# Allegro board BeagleV-FIRE_REV-A_230911.brd (continued)
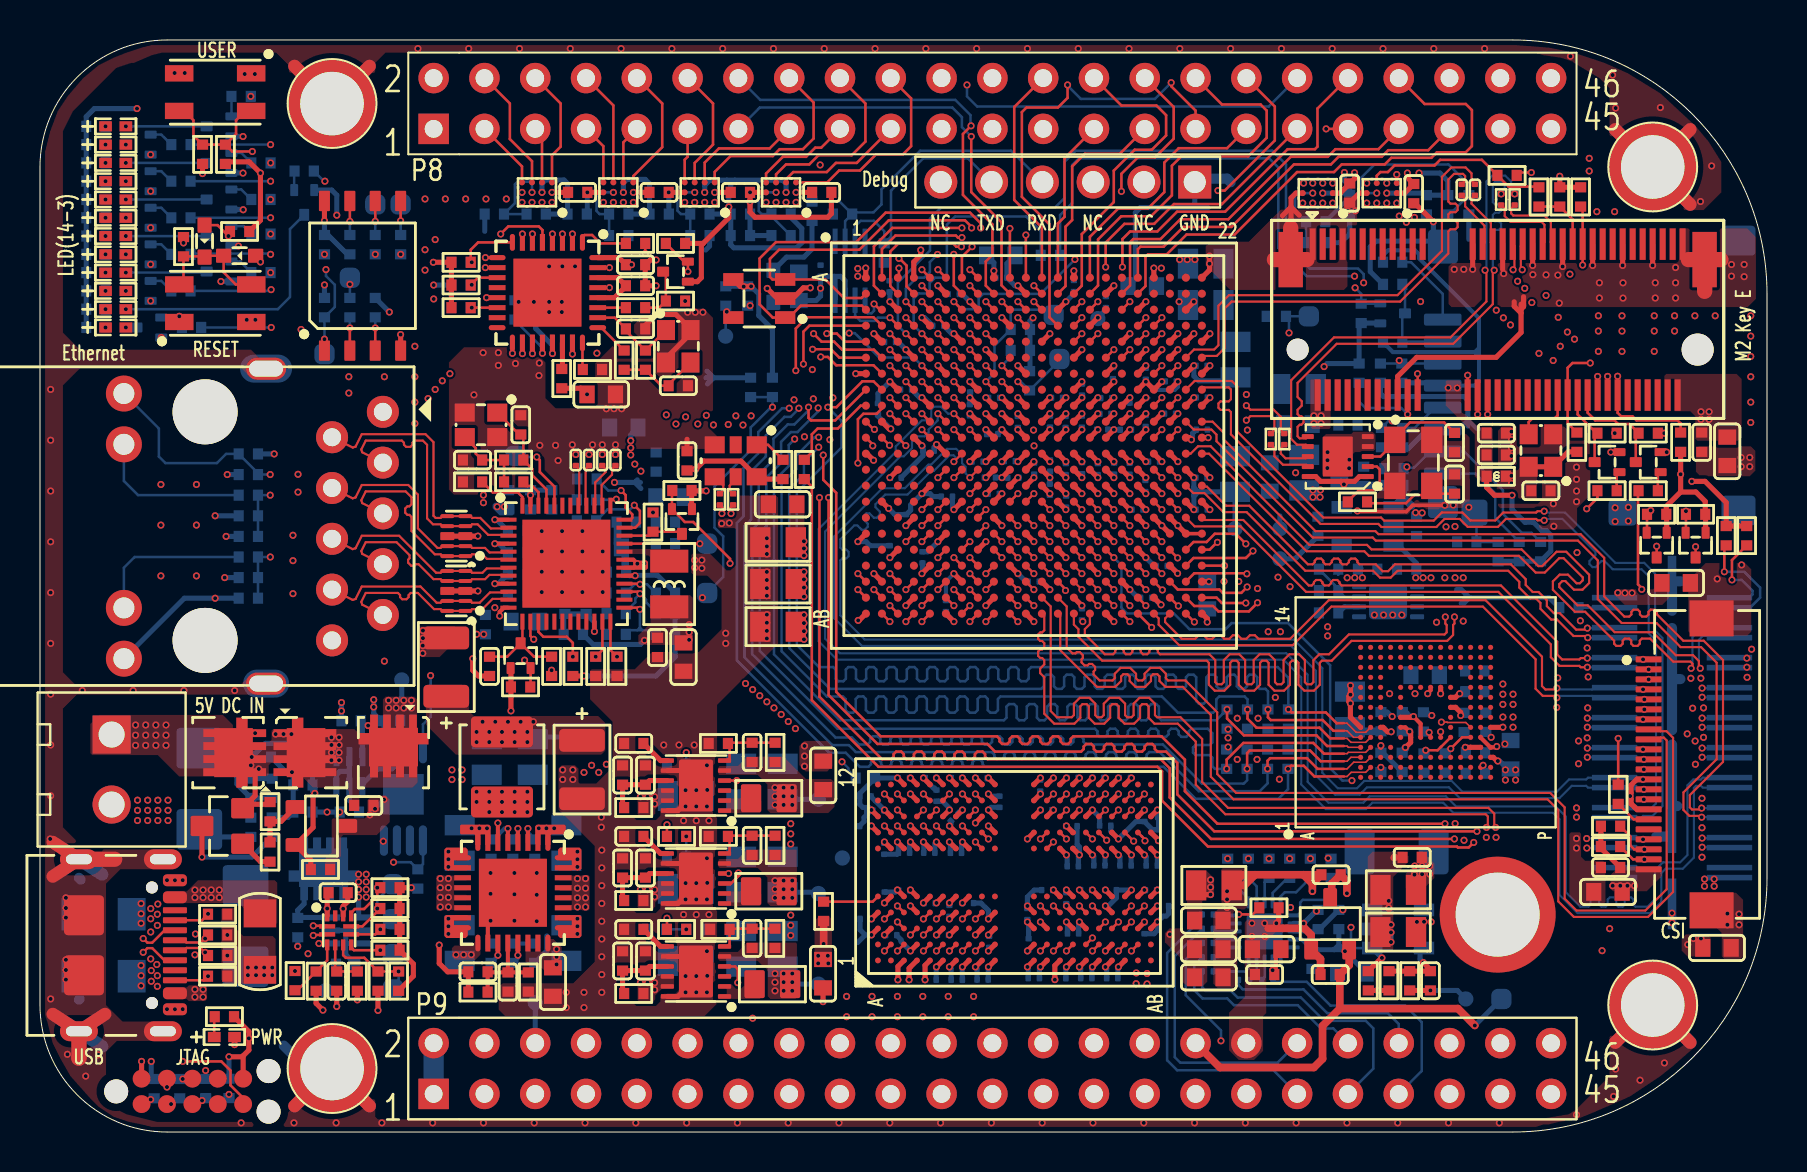
[diagram p0: board, top side]
## Routing (per net, layer and track width the routed paths; a pad name or vN(x,y) marks a point on that pad's centre or on a via; arc(x,y) is an arc through that point) (continued)
LPDDR4_DQ14: length 29.6
  TOP w0.127: U1.Y8 v1(46.5,27.92) ; U2.C9 v1(42.88,15.3)
  L10_SIG3 w0.102: v1(42.88,15.3) 42.51,14.94 40.52,14.94 38.61,16.85 38.61,29.14 40.2,30.72 45.3,30.72 46.14,29.88 46.14,29.38 46.35,29.17 46.58,29.17 46.89,28.86 46.89,28.59 46.54,28.24 46.54,27.96 v1(46.5,27.92)
LPDDR4_DQ15: length 29.7
  TOP w0.127: U2.B9 v1(42.23,15.3) ; U1.AA8 v1(46.5,27.12)
  L10_SIG3 w0.102: v1(42.23,15.3) 42.36,15.43 42.36,15.55 42.51,15.71 43,15.71 43.22,15.49 43.22,14.42 42.94,14.13 41.82,14.13 41.32,13.63 41.32,12.17 41.72,11.77 47.28,11.77 48.26,12.75 48.26,15.44 48.18,15.52 48.18,16.17 47.75,16.59 47.75,19.39 46.94,20.2 46.94,26.41 46.5,26.85 v1(46.5,27.12)
LPDDR4_DQ16: length 29.4
  TOP w0.127: U1.Y9 v1(47.3,27.12) ; U2.AA2 v1(54.58,9.05)
  L3_SIG1 w0.102: v1(47.3,27.12) 46.89,26.72 46.89,24.27 49.06,22.11 49.06,18.02 49.16,17.92 49.56,17.92 49.66,17.82 49.66,17.54 49.56,17.44 49.16,17.44 49.06,17.33 49.06,17.05 49.16,16.95 49.48,16.95 49.58,16.85 49.58,16.57 49.48,16.47 49.16,16.47 49.06,16.37 49.06,16.09 49.16,15.99 49.35,15.99 49.45,15.89 49.45,15.61 49.35,15.5 49.16,15.5 49.06,15.4 49.06,9.9 49.72,9.23 49.72,8.13 49.9,7.95 54.05,7.95 54.58,8.47 v1(54.58,9.05)
LPDDR4_DQ17: length 29.3
  TOP w0.127: U2.Y2 v1(53.93,9.05) ; U1.W9 v1(47.3,27.92)
  L3_SIG1 w0.102: v1(47.3,27.92) 47.68,27.54 47.68,25.78 47.71,25.76 47.71,24.61 50.49,21.83 50.49,21.68 50.2,21.4 50.2,21.26 50.4,21.06 50.54,21.06 51.02,21.53 51.16,21.53 51.36,21.33 51.36,21.19 50.85,20.68 50.85,20.53 51.04,20.33 51.19,20.33 51.51,20.66 51.65,20.66 51.96,20.35 51.96,19.93 51.86,19.83 51.41,19.83 51.31,19.73 51.31,19.45 51.41,19.35 51.86,19.35 51.96,19.24 51.96,18.82 51.02,17.88 51.02,15.55 50.91,15.44 50.81,15.44 50.71,15.34 50.71,15.06 50.81,14.96 50.91,14.96 51.02,14.86 51.02,13.61 51.45,13.18 51.45,12.83 51.02,12.39 51.02,10.23 51.22,10.03 51.36,10.03 51.5,10.16 51.64,10.16 51.84,9.96 51.84,9.82 51.71,9.69 51.71,9.54 51.85,9.4 53.58,9.4 v1(53.93,9.05)
LPDDR4_DQ18: length 29.2
  TOP w0.127: U1.AB9 v1(47.3,25.52) ; U2.V2 v1(52.63,9.05)
  L3_SIG1 w0.102: v1(52.63,9.05) 52.32,8.75 50.54,8.75 50.33,8.96 50.33,11.85 49.72,12.46 49.72,12.7 49.82,12.81 50.7,12.81 50.8,12.91 50.8,13.19 50.7,13.29 49.73,13.29 49.63,13.39 49.63,13.67 49.73,13.77 50.34,13.77 50.44,13.87 50.44,14.15 50.34,14.25 49.82,14.25 49.72,14.36 49.72,14.87 50.3,15.45 50.3,15.95 50.33,15.98 50.33,18.63 50.23,18.74 49.56,18.74 49.46,18.84 49.46,19.12 49.56,19.22 50.75,19.22 50.85,19.32 50.85,19.6 50.75,19.7 49.56,19.7 49.46,19.8 49.46,20.08 49.56,20.18 50.23,20.18 50.33,20.29 50.33,20.54 49.47,21.4 49.47,22.26 47.3,24.44 v1(47.3,25.52)
LPDDR4_DQ19: length 30.4
  TOP w0.127: U1.AB10 v1(48.9,25.52) ; U2.U2 v1(52.63,9.7)
  L3_SIG1 w0.102: v1(52.63,9.7) 52.94,10.02 52.94,12.24 53.2,12.49 53.2,12.69 53.09,12.79 52.79,12.79 52.69,12.89 52.69,13.1 52.79,13.2 53.09,13.2 53.2,13.3 53.2,13.5 52.95,13.75 52.95,14.72 53.24,15.01 54.04,15.01 54.31,14.75 54.31,14.46 54.56,14.21 55.4,14.21 55.57,14.38 55.57,14.84 55.47,14.94 55.17,14.94 55.06,15.04 55.06,15.25 55.17,15.35 55.47,15.35 55.57,15.45 55.57,17.2 54.52,18.25 54.52,20.92 55.33,21.73 55.33,21.87 55.18,22.02 55.04,22.02 54.23,21.21 54.12,21.21 53.93,21.4 53.93,21.49 54.7,22.25 54.7,22.39 54.55,22.54 54.41,22.54 53.92,22.05 53.78,22.05 52.91,22.92 51.13,22.92 48.94,25.1 48.94,25.48 v1(48.9,25.52)
LPDDR4_DQ20: length 29.4
  TOP w0.127: U1.V11 v1(49.7,28.72) ; U2.U4 v1(51.98,11.3)
  L3_SIG1 w0.102: v1(51.98,11.3) 51.63,11.65 51.63,12.29 51.86,12.52 51.86,13.54 51.65,13.74 51.65,17.09 51.86,17.3 52,17.3 52.32,17.61 52.32,17.85 52.6,18.13 52.6,18.28 52.49,18.39 52.49,18.53 52.64,18.68 52.78,18.68 52.89,18.57 53.03,18.57 53.58,19.11 53.58,19.37 53.48,19.47 52.75,19.47 52.6,19.63 52.6,19.85 52.7,19.96 53.48,19.96 53.58,20.06 53.58,20.6 53.44,20.74 53.3,20.74 53.15,20.59 53.01,20.59 52.81,20.79 52.81,20.94 52.96,21.08 52.96,21.22 52.76,21.42 52.62,21.42 52.19,21 52.02,21 51.84,21.18 51.84,21.33 52.27,21.76 52.27,21.91 52.13,22.05 50.84,22.05 48.13,24.76 48.13,25.91 48.09,25.95 48.09,27.99 47.74,28.33 47.74,28.87 48.03,29.16 48.92,29.16 49.36,28.72 v1(49.7,28.72)
LPDDR4_DQ21: length 29.2
  TOP w0.127: U1.V10 v1(48.9,28.72) ; U2.V4 v1(52.63,11.3)
  L3_SIG1 w0.102: v1(52.63,11.3) 52.3,11.63 52.3,12.21 52.28,12.23 52.28,15.63 52.43,15.78 52.95,15.78 53.06,15.68 53.06,15.54 53.16,15.44 53.36,15.44 53.46,15.54 53.46,15.68 53.56,15.78 53.77,15.78 53.87,15.68 53.87,15.56 53.97,15.46 54.17,15.46 54.27,15.56 54.27,15.68 54.38,15.78 54.68,15.78 54.88,15.98 54.88,16.33 54.65,16.56 52.42,16.56 52.32,16.66 52.32,17.04 52.54,17.26 53.45,17.26 53.61,17.42 53.61,18.27 54.08,18.74 54.08,20.68 52.99,21.77 52.99,21.91 53.1,22.02 53.1,22.16 52.95,22.3 52.81,22.3 52.7,22.2 52.56,22.2 52.27,22.49 50.97,22.49 48.54,24.92 48.54,26.08 48.5,26.12 48.5,28.32 v1(48.9,28.72)
LPDDR4_DQ22: length 29.6
  TOP w0.127: U2.Y4 v1(54.58,11.3) ; U1.Y11 v1(49.7,27.12)
  L3_SIG1 w0.102: v1(54.58,11.3) 55.01,11.74 55.99,11.74 56.85,12.6 56.85,12.74 56.73,12.86 56.73,13.01 57.74,14.02 57.74,15.19 56.96,15.97 56.96,16.33 57.06,16.43 57.35,16.43 57.45,16.54 57.45,16.74 57.35,16.84 57.06,16.84 56.96,16.94 56.96,17.14 57.06,17.25 57.23,17.25 57.33,17.35 57.33,17.55 57.23,17.65 56.93,17.65 56.83,17.75 56.83,17.96 56.93,18.06 57.23,18.06 57.33,18.16 57.33,18.36 57.23,18.47 56.9,18.47 56.8,18.57 56.8,18.77 56.9,18.87 57.21,18.87 57.31,18.97 57.31,19.18 57.21,19.28 56.9,19.28 56.79,19.38 56.79,19.58 56.9,19.68 57.2,19.68 57.3,19.79 57.3,19.99 57.2,20.09 56.9,20.09 56.79,20.19 56.79,20.4 56.9,20.5 57.3,20.5 57.4,20.6 57.4,20.8 57.3,20.9 57.06,20.9 56.96,21.01 56.96,21.89 54.81,24.04 52.35,24.04 51.95,24.44 51.81,24.44 51.65,24.28 51.47,24.28 51.36,24.38 51.36,24.57 51.46,24.66 51.46,24.95 51.05,25.35 50.65,25.35 50.55,25.45 50.55,25.7 50.62,25.78 50.83,25.78 50.95,25.91 50.95,26.11 50.32,26.75 50.08,26.75 v1(49.7,27.12)
LPDDR4_DQ23: length 29.4
  TOP w0.127: U1.W11 v1(49.7,27.92) ; U2.AA4 v1(55.23,11.3)
  L3_SIG1 w0.102: v1(55.23,11.3) 55.56,10.97 56.24,10.97 56.72,11.45 56.72,11.59 56.65,11.66 56.65,11.81 56.85,12.01 56.99,12.01 57.07,11.93 57.21,11.93 57.41,12.13 57.41,12.27 57.33,12.35 57.33,12.6 57.71,12.98 57.71,13.18 58.17,13.64 58.17,15.6 58.06,15.7 57.81,15.7 57.71,15.8 57.71,16.08 57.81,16.18 58.06,16.18 58.17,16.28 58.17,16.56 58.06,16.66 57.96,16.66 57.86,16.76 57.86,17.04 57.96,17.15 58.06,17.15 58.17,17.25 58.17,17.53 58.06,17.63 57.89,17.63 57.79,17.73 57.79,18.01 57.89,18.11 58.06,18.11 58.17,18.21 58.17,18.49 58.06,18.59 57.86,18.59 57.76,18.69 57.76,18.97 57.86,19.08 58.06,19.08 58.17,19.18 58.17,19.46 58.06,19.56 57.86,19.56 57.76,19.66 57.76,19.94 57.86,20.04 58.06,20.04 58.17,20.14 58.17,20.42 58.06,20.52 57.96,20.52 57.86,20.63 57.86,20.9 57.96,21.01 58.06,21.01 58.17,21.11 58.17,21.26 54.98,24.45 52.53,24.45 51.77,25.21 51.77,25.43 51.61,25.58 51.46,25.58 51.42,25.62 51.42,25.97 51.49,26.04 51.66,26.04 51.74,26.11 51.74,26.52 51.56,26.7 51.12,26.7 50.9,26.92 50.9,27.23 50.61,27.52 50.1,27.52 v1(49.7,27.92)
LPDDR4_DQ24: length 29.5
  TOP w0.127: U2.AA11 v1(55.23,16.9) ; U1.U8 v1(47.3,30.32)
  L10_SIG3 w0.102: v1(55.23,16.9) 54.79,17.34 53.83,17.34 53.6,17.57 53.6,18.43 53.94,18.78 53.94,18.99 54.05,19.09 54.75,19.09 54.86,19.2 54.86,19.4 54.75,19.5 54.05,19.5 53.94,19.6 53.94,19.8 54.05,19.9 54.75,19.9 54.86,20.01 54.86,20.21 54.75,20.31 54.05,20.31 53.94,20.41 53.94,20.62 54.05,20.72 54.77,20.72 54.88,20.83 54.88,21.02 54.78,21.12 54.05,21.12 53.94,21.22 53.94,21.43 54.05,21.53 54.77,21.53 54.88,21.64 54.88,21.83 54.78,21.94 54.05,21.94 53.94,22.04 53.94,22.24 54.05,22.34 54.68,22.34 54.78,22.44 54.78,22.65 54.68,22.75 54.05,22.75 53.94,22.85 53.94,23.09 51.7,25.33 51.7,28.04 51.41,28.32 51.19,28.32 50.9,28.61 50.9,29.64 50.61,29.92 50.39,29.92 50.14,30.17 50.14,30.41 49.81,30.73 49.36,30.73 49.26,30.84 49.26,30.94 49.16,31.04 48.95,31.04 48.85,30.94 48.85,30.84 48.75,30.73 48.55,30.73 48.44,30.84 48.44,30.94 48.34,31.04 48.14,31.04 48.04,30.94 48.04,30.84 47.94,30.73 47.71,30.73 v1(47.3,30.32)
LPDDR4_DQ25: length 29.3
  TOP w0.127: U2.Y11 v1(54.58,16.9) ; U1.T8 v1(47.3,31.12)
  L10_SIG3 w0.102: v1(47.3,31.12) 47.62,31.45 49.68,31.45 50.39,30.73 50.61,30.73 50.9,30.44 50.9,30.21 51.19,29.92 51.41,29.92 51.7,29.64 51.7,28.61 51.99,28.32 52.21,28.32 52.53,28.01 52.53,25.08 52.71,24.9 52.85,24.9 52.94,24.99 53.08,24.99 53.23,24.85 53.23,24.7 53.14,24.61 53.14,24.47 53.28,24.32 53.42,24.32 53.56,24.46 53.73,24.46 53.86,24.33 53.86,24.18 53.71,24.04 53.71,23.89 53.86,23.75 54,23.75 54.21,23.96 54.35,23.96 54.5,23.82 54.5,23.67 54.29,23.46 54.29,23.32 54.45,23.16 54.91,23.16 55.3,22.76 55.3,22.42 55.41,22.32 55.69,22.32 55.79,22.21 55.79,22.01 55.69,21.91 55.41,21.91 55.3,21.81 55.3,21.6 55.41,21.5 55.69,21.5 55.79,21.4 55.79,21.2 55.69,21.1 55.41,21.1 55.3,20.99 55.3,20.79 55.41,20.69 55.69,20.69 55.79,20.59 55.79,20.39 55.69,20.28 55.41,20.28 55.3,20.18 55.3,19.98 55.41,19.88 55.69,19.88 55.79,19.78 55.79,19.57 55.69,19.47 55.41,19.47 55.3,19.37 55.3,19.17 55.41,19.06 55.69,19.06 55.79,18.96 55.79,18.76 55.69,18.66 54.83,18.66 54.72,18.56 54.72,18.17 54.83,18.07 55.13,18.07 55.3,17.9 55.3,17.4 55.63,17.07 55.63,16.64 55.46,16.47 54.94,16.47 54.58,16.83 v1(54.58,16.9)
LPDDR4_DQ26: length 29.7
  TOP w0.127: U1.T11 v1(49.7,30.32) ; U2.V11 v1(53.28,16.9)
  L10_SIG3 w0.102: v1(49.7,30.32) 49.7,30.04 50.1,29.64 50.1,28.43 50.2,28.32 50.61,28.32 50.9,28.04 50.9,26.67 51,26.57 51.16,26.57 51.26,26.46 51.26,26.26 51.16,26.16 50.64,26.16 50.54,26.06 50.54,25.86 50.64,25.75 50.8,25.75 50.9,25.65 50.9,25.42 50.49,25.01 50.49,24.62 50.6,24.52 50.79,24.52 51.28,25 51.46,25 51.59,24.86 51.59,24.71 51.2,24.31 51.2,24.16 51.35,24.01 51.5,24.01 51.89,24.4 52.04,24.4 52.17,24.27 52.17,24.11 51.78,23.72 51.78,23.58 51.93,23.43 52.07,23.43 52.48,23.84 52.62,23.84 52.77,23.69 52.77,23.55 52.12,22.9 52.12,22.72 52.25,22.6 53.43,22.6 53.52,22.51 53.52,22.25 53.41,22.15 52.22,22.15 52.12,22.06 52.12,21.8 52.23,21.69 53.26,21.69 53.37,21.58 53.37,21.39 53.27,21.29 52.65,21.29 52.55,21.19 52.55,21 52.67,20.88 53.3,20.88 53.41,20.78 53.41,20.58 53.3,20.48 52.83,20.48 52.71,20.36 52.71,20.17 52.81,20.07 53.37,20.07 53.47,19.97 53.47,19.76 53.37,19.66 52.88,19.66 52.77,19.56 52.77,19.36 52.88,19.26 53.41,19.26 53.51,19.15 53.51,18.95 53.41,18.85 52.88,18.85 52.77,18.75 52.77,18.15 52.95,17.97 52.95,17.36 53.28,17.03 v1(53.28,16.9)
LPDDR4_DQ27: length 29.7
  TOP w0.127: U2.U11 v1(52.63,16.9) ; U1.U10 v1(48.9,29.52)
  L10_SIG3 w0.102: v1(52.63,16.9) 52.41,16.9 52.3,17.02 52.3,17.23 52.23,17.3 50,17.3 49.72,17.58 49.72,18.51 49.86,18.65 50.28,18.65 50.42,18.51 50.42,18.24 50.54,18.12 50.73,18.12 50.83,18.23 50.83,18.55 50.93,18.65 51.14,18.65 51.24,18.55 51.24,18.31 51.4,18.15 52.21,18.15 52.32,18.25 52.32,18.81 52.21,18.92 51.89,18.92 51.79,19.02 51.79,19.22 51.89,19.32 52.24,19.32 52.34,19.43 52.34,19.62 52.24,19.73 51.89,19.73 51.79,19.83 51.79,20.04 51.89,20.14 52.2,20.14 52.31,20.24 52.31,20.59 52.15,20.75 51.01,20.75 50.9,20.85 50.9,22.62 51.01,22.72 51.21,22.72 51.31,22.62 51.31,21.3 51.42,21.19 51.62,21.19 51.72,21.29 51.72,23.02 51.62,23.13 51.01,23.13 50.9,23.23 50.9,23.87 50.67,24.11 49.78,24.11 49.67,24.21 49.67,25.06 49.78,25.17 50,25.17 50.1,25.27 50.1,27.42 50,27.52 49.58,27.52 49.3,27.81 49.3,29.12 v1(48.9,29.52)
LPDDR4_DQ28: length 29.7
  TOP w0.127: U1.R11 v1(49.7,31.92) ; U2.U9 v1(52.63,14.65)
  L10_SIG3 w0.102: v1(49.7,31.92) 49.99,31.92 50.39,31.52 50.61,31.52 50.9,31.24 50.9,31.01 51.19,30.72 51.41,30.72 51.7,30.44 51.7,30.21 51.99,29.92 52.21,29.92 52.5,29.64 52.5,28.61 52.79,28.32 53.01,28.32 53.29,28.05 53.29,25.43 53.55,25.17 53.77,25.17 56.2,22.74 56.2,18.59 56.3,18.49 56.46,18.49 56.57,18.39 56.57,18.19 56.46,18.09 56.3,18.09 56.2,17.98 56.2,17.78 56.3,17.68 56.46,17.68 56.57,17.58 56.57,17.37 56.46,17.27 56.3,17.27 56.2,17.17 56.2,16.97 56.3,16.87 56.46,16.87 56.57,16.76 56.57,16.56 56.46,16.46 56.3,16.46 56.2,16.36 56.2,15.95 55.71,15.47 55.41,15.47 55.31,15.57 55.31,15.67 55.21,15.77 55,15.77 54.9,15.67 54.9,15.57 54.8,15.47 54.48,15.47 54.01,15 53.17,15 52.98,14.81 52.98,13.99 52.97,13.98 52.97,13.4 52.79,13.22 52.44,13.22 52.3,13.36 52.3,14.33 v1(52.63,14.65)
LPDDR4_DQ29: length 30.3
  TOP w0.127: U1.R10 v1(48.9,31.92) ; U2.V9 v1(53.34,14.59)
  L10_SIG3 w0.102: v1(48.9,31.92) 48.9,32.23 49.03,32.36 50.57,32.36 50.9,32.04 50.9,31.81 51.19,31.52 51.41,31.52 51.66,31.28 51.66,31.06 52.03,30.68 52.26,30.68 52.46,30.48 52.46,30.26 52.83,29.88 53.06,29.88 53.3,29.64 53.3,28.61 53.59,28.32 53.81,28.32 54.1,28.04 54.1,25.45 54.14,25.41 54.14,25.38 57.02,22.5 57.02,21.98 56.92,21.88 56.74,21.88 56.64,21.78 56.64,21.57 56.74,21.47 56.92,21.47 57.02,21.37 57.02,21.17 56.92,21.06 56.79,21.06 56.69,20.96 56.69,20.76 56.79,20.66 56.92,20.66 57.02,20.56 57.02,16.05 56.03,15.06 55.88,15.06 55.88,15.06 54.72,15.06 54.25,14.59 54.25,13.3 54.2,13.25 53.72,13.25 53.62,13.36 53.62,13.73 53.62,13.73 53.62,14.31 v1(53.34,14.59)
LPDDR4_DQ30: length 29.9
  TOP w0.127: v1(54.69,14.55) 54.69,14.55 U2.Y9 ; U1.R8 v1(46.5,31.12)
  L10_SIG3 w0.102: v1(46.5,31.12) 46.5,30.32 46.89,29.94 46.89,29.43 47.15,29.17 47.21,29.17 47.31,29.06 47.31,28.44 46.94,28.07 46.94,27.78 46.94,26.98 47.24,26.68 47.45,26.68 47.66,26.47 47.66,26.18 47.66,26.18 47.66,25.38 47.34,25.06 47.34,20.37 48.16,19.55 48.16,16.76 48.58,16.34 48.58,15.69 48.67,15.61 48.67,14.36 48.95,14.08 48.95,12.85 49.2,12.6 50.88,12.6 51.05,12.78 51.05,13.21 51.16,13.31 51.36,13.31 51.46,13.21 51.46,12.9 51.59,12.78 54.72,12.78 54.9,12.95 54.9,13.98 54.69,14.2 v1(54.69,14.55)
LPDDR4_DQ31: length 29.7
  TOP w0.127: U1.P8 v1(46.5,31.92) ; U2.AA9 55.11,14.78 55.26,14.62 v1(55.26,14.56)
  L10_SIG3 w0.102: v1(55.26,14.56) 55.6,14.22 56.06,14.22 57.43,15.6 57.43,22.86 54.86,25.43 54.86,28.07 54.65,28.28 54.43,28.28 54.06,28.66 54.06,29.67 53.85,29.88 53.63,29.88 53.26,30.26 53.26,30.47 53.05,30.68 52.83,30.68 52.46,31.06 52.46,31.27 52.25,31.48 52.03,31.48 51.66,31.86 51.66,32.07 51.45,32.28 51.23,32.28 50.86,32.66 50.86,32.87 50.65,33.08 50.35,33.08 50.35,33.08 48.75,33.08 48.54,32.87 48.54,32.65 48.25,32.36 46.94,32.36 v1(46.5,31.92)
LPDDR4_DQS0_N: length 30.4
  TOP w0.127: U1.AA3 v1(42.5,27.12) ; U2.E3 v1(44.18,9.85)
  L3_SIG1 w0.086: v1(44.18,9.85) 43.85,10.18 41.28,10.18 40.15,11.31 40.15,11.85 40.24,11.94 40.99,11.94 41.26,12.21 41.26,12.69 40.99,12.96 40.24,12.96 40.15,13.04 40.15,13.26 40.24,13.35 40.99,13.35 41.26,13.62 41.26,14.1 40.99,14.37 40.24,14.37 40.15,14.46 40.15,14.68 40.24,14.76 40.99,14.76 41.26,15.03 41.26,15.51 40.99,15.78 40.24,15.78 40.15,15.87 40.15,16.09 40.24,16.17 40.99,16.17 41.26,16.44 41.26,16.92 40.99,17.19 40.24,17.19 40.15,17.28 40.15,17.67 40.3,17.82 40.74,17.82 41.04,18.13 41.04,19.28 40.38,19.94 40.38,20.35 41.69,21.67 41.69,26.08 42.26,26.64 42.26,26.88 v1(42.5,27.12)
LPDDR4_DQS0_P: length 30.4
  TOP w0.127: U1.AA2 v1(41.7,27.12) ; U2.D3 v1(43.53,9.85)
  L3_SIG1 w0.086: v1(43.53,9.85) 42.73,9.85 42.43,9.56 41.45,9.56 41.15,9.86 41.15,9.87 39.84,11.17 39.84,11.98 40.11,12.25 40.86,12.25 40.94,12.34 40.94,12.56 40.86,12.64 40.11,12.64 39.84,12.91 39.84,13.39 40.11,13.66 40.86,13.66 40.94,13.75 40.94,13.97 40.86,14.06 40.11,14.06 39.84,14.33 39.84,14.81 40.11,15.08 40.86,15.08 40.94,15.16 40.94,15.38 40.86,15.47 40.11,15.47 39.84,15.74 39.84,16.22 40.11,16.49 40.86,16.49 40.94,16.58 40.94,16.79 40.86,16.88 40.11,16.88 39.84,17.15 39.84,17.8 40.17,18.14 40.6,18.14 40.72,18.26 40.72,19.15 40.06,19.81 40.06,20.49 41.38,21.8 41.38,26.21 41.94,26.78 41.94,26.88 v1(41.7,27.12)
LPDDR4_DQS1_N: length 29
  TOP w0.127: U2.E10 v1(44.83,16.1) ; U1.W6 v1(44.9,27.92)
  L10_SIG3 w0.086: v1(44.9,27.92) 45.22,27.61 45.22,26.11 44.94,25.84 44.94,25.35 44.29,24.69 41.98,24.69 41.7,24.41 41.7,19.96 41.87,19.79 42,19.79 42.1,19.88 42.1,23.76 42.37,24.03 42.85,24.03 43.12,23.76 43.12,21.99 43.21,21.9 43.61,21.9 43.89,21.63 43.89,21.16 43.61,20.88 43.21,20.88 43.12,20.79 43.12,20.58 43.21,20.48 43.61,20.48 43.7,20.39 43.71,20.39 43.89,20.21 43.89,19.74 43.61,19.46 43.14,19.46 43.05,19.36 43.05,19.22 43.14,19.13 43.47,19.13 43.85,18.75 44.46,18.75 45.12,18.08 45.12,16.61 44.83,16.31 v1(44.83,16.1)
LPDDR4_DQS1_P: length 29
  TOP w0.127: U2.D10 v1(44.18,16.1) ; U1.Y6 v1(44.9,27.12)
  L10_SIG3 w0.086: v1(44.9,27.12) 44.9,26.24 44.63,25.97 44.63,25.48 44.16,25.01 43.19,25.01 43.1,25.1 43.1,25.23 43.01,25.32 42.79,25.32 42.71,25.23 42.71,25.1 42.62,25.01 41.85,25.01 41.38,24.54 41.38,19.83 41.74,19.47 42.13,19.47 42.41,19.75 42.41,23.63 42.5,23.71 42.72,23.71 42.8,23.63 42.8,21.86 43.07,21.59 43.48,21.59 43.57,21.5 43.57,21.29 43.48,21.2 43.08,21.2 42.8,20.92 42.8,20.44 43.08,20.17 43.48,20.17 43.58,20.07 43.58,19.87 43.48,19.77 43.01,19.77 42.7,19.46 42.7,19.13 43.01,18.81 43.34,18.81 43.72,18.43 44.33,18.43 44.67,18.09 44.67,17.97 44.47,17.77 44.47,17.38 44.81,17.04 44.81,16.74 44.48,16.41 44.25,16.41 44.18,16.34 v1(44.18,16.1)
LPDDR4_DQS2_N: length 30
  TOP w0.127: U2.V3 v1(53.28,10.5) ; U1.AA10 v1(48.9,26.32)
  L3_SIG1 w0.086: v1(53.28,10.5) 53.61,10.84 53.61,13.22 53.88,13.49 54.64,13.49 54.91,13.22 54.91,12.84 54.99,12.76 55.22,12.76 55.3,12.84 55.3,13.18 55.57,13.45 56.14,13.45 56.23,13.54 56.23,13.98 56.5,14.25 56.91,14.25 57.01,14.35 57.01,14.68 56.92,14.77 56.5,14.77 56.23,15.04 56.23,17.05 55.99,17.29 55.99,18.19 55.9,18.28 55.19,18.28 54.92,18.55 54.92,19.18 55.19,19.46 55.99,19.46 56.07,19.54 56.07,19.99 55.99,20.08 55.29,20.08 55.02,20.35 55.02,20.84 55.34,21.17 55.91,21.17 56.17,21.43 56.17,21.67 54.52,23.33 51.28,23.33 49.35,25.26 49.35,25.84 48.9,26.29 v1(48.9,26.32)
LPDDR4_DQS2_P: length 30.1
  TOP w0.127: U2.W3 v1(53.93,10.5) ; U1.AA11 v1(49.7,26.32)
  L3_SIG1 w0.086: v1(53.93,10.5) 53.93,13.09 54.01,13.17 54.51,13.17 54.59,13.09 54.59,12.71 54.86,12.44 55.35,12.44 55.62,12.71 55.62,13.05 55.7,13.13 56.27,13.13 56.54,13.41 56.54,13.85 56.63,13.94 57.04,13.94 57.32,14.22 57.32,14.82 57.05,15.09 56.63,15.09 56.54,15.17 56.54,17.18 56.3,17.42 56.3,18.32 56.03,18.59 55.32,18.59 55.23,18.68 55.23,19.05 55.32,19.14 56.12,19.14 56.39,19.41 56.39,20.12 56.12,20.39 55.42,20.39 55.33,20.48 55.33,20.71 55.47,20.85 56.04,20.85 56.49,21.3 56.49,21.8 54.65,23.64 51.41,23.64 50.73,24.33 50.73,24.45 50.81,24.53 50.81,24.71 50.68,24.83 50.56,24.83 50.45,24.73 50.33,24.73 50.05,25 50.05,25.67 50.03,25.69 50.03,25.7 49.7,26.03 v1(49.7,26.32)
LPDDR4_DQS3_N: length 30.1
  TOP w0.127: U2.V10 v1(53.28,16.1) ; U1.V9 v1(48.1,28.72)
  L10_SIG3 w0.086: v1(53.28,16.1) 52.98,15.8 50.74,15.8 50.65,15.72 50.65,15.66 50.57,15.58 50.35,15.58 50.26,15.66 50.26,15.72 50.17,15.8 49.78,15.8 49.39,16.2 49.39,16.67 48.97,17.1 48.97,19.09 49.24,19.36 50.93,19.36 51.07,19.51 51.07,19.86 50.95,19.98 48.93,19.98 48.59,20.31 48.59,20.87 48.86,21.15 49.91,21.15 50.05,21.28 50.05,21.58 49.95,21.68 48.44,21.68 48.16,21.96 48.16,22.54 48.46,22.84 50.04,22.84 50.13,22.93 50.13,23.21 50.04,23.29 48.47,23.29 48.17,23.59 48.17,24.13 48.51,24.47 48.87,24.47 48.96,24.56 48.96,25.08 48.87,25.17 48.65,25.17 48.46,25.36 48.46,25.78 48.55,25.87 48.55,26.47 48.46,26.56 48.46,26.82 48.55,26.91 48.55,27.33 48.45,27.43 48.15,27.43 48.06,27.52 48.06,27.99 48.23,28.17 48.23,28.59 v1(48.1,28.72)
LPDDR4_DQS3_P: length 30
  TOP w0.127: U1.U9 v1(48.1,29.52) ; U2.W10 v1(53.93,16.1)
  L10_SIG3 w0.086: v1(53.93,16.1) 53.6,16.43 50.07,16.43 49.71,16.8 49.71,16.8 49.28,17.23 49.28,18.96 49.37,19.05 51.06,19.05 51.39,19.38 51.39,19.99 51.08,20.29 49.06,20.29 48.91,20.45 48.91,20.74 48.99,20.83 50.04,20.83 50.36,21.15 50.36,21.71 50.08,21.99 48.57,21.99 48.47,22.09 48.47,22.41 48.59,22.52 50.17,22.52 50.44,22.8 50.44,23.34 50.17,23.61 48.61,23.61 48.49,23.72 48.49,24 48.64,24.16 49.01,24.16 49.28,24.43 49.28,27.24 48.98,27.53 48.8,27.53 48.55,27.78 48.55,27.84 48.55,27.85 48.55,29.07 v1(48.1,29.52)
LPDDR4_ODT_CA_A: length 45
  TOP w0.127: v1(41.64,34.31) 41.64,34.38 U1.L1 ; U2.T2 v1(51.33,9.05) ; U2.G2 v1(45.48,9.05)
  L5_SIG2 w0.102: v1(41.64,34.31) 41.28,33.95 41.28,32.11 40.54,31.37 40.54,10.26 42.85,7.95 50.22,7.95 v1(51.33,9.05)
  L8_PWR2 w0.102: v1(45.48,9.05) 45.48,9.07 46.58,10.17 50.22,10.17 v1(51.33,9.05)
LPDDR4_RESETN: length 33.1
  TOP w0.127: U1.L2 v1(42.48,34.34) ; U2.T11 v1(51.98,16.9)
  L5_SIG2 w0.102: v1(40.1,18.51) 40.1,31.55 40.49,31.93 40.49,33.93 41.28,34.72 41.74,34.72 42.12,34.34 v1(42.48,34.34)
  L8_PWR2 w0.102: v1(40.1,18.51) 40.11,18.52 51.08,18.52 51.65,17.95 51.65,17.36 51.98,17.03 v1(51.98,16.9)
  BOTTOM w0.114: R2.1 40.79,17.72 40.43,18.09 40.43,18.19 v1(40.1,18.51)
M2_32KHZ: length 3.2
  TOP w0.127: OSC1.3 74.44,35.5 74.63,35.69 75.74,35.69 75.89,35.84 J9.50
M2_CLKREQ0N: length 32.9
  TOP w0.127: U1.W19 v1(56.1,27.92)
  L5_SIG2 w0.102: v1(56.1,27.92) 56.4,27.92 56.74,27.58 57.84,27.58 58.27,27.15 59.06,27.15 60.27,25.93 61.11,25.93 v1(62.03,25.02)
  L10_SIG3 w0.102: v1(66.84,46.45) 66.84,45.58 64.92,43.66 64.92,42.01 66.34,40.58 66.34,33.07 65.94,32.66 65.94,32.08 65.45,31.59 65.45,29.71 64.57,28.82 64.57,26.52 63.07,25.02 v1(62.03,25.02)
M2_I2C_ALTN: length 41.2
  TOP w0.127: U1.U15 v1(52.9,29.52) ; R93.2 82.04,35.43 81.89,35.59 79.84,35.59 79.63,35.79 79.07,35.79 78.89,35.97 J9.62 v1(78.89,37.79)
  L5_SIG2 w0.102: v1(78.89,37.79) 78.89,37.08 78.64,36.83 69.16,36.83 68.88,37.11 68.33,37.11 67.87,37.57 57.94,37.57 57.51,37.14 55.14,37.14 55.12,37.16 53.57,37.16 53.31,36.91 53.31,31.83 53.06,31.57 52.82,31.57 52.48,31.23 52.48,29.95 v1(52.9,29.52)
M2_PER0_N: length 23.1
  TOP w0.107: v1(74.12,43.12) 74.05,43.19 74.05,44.31 J9.43
  TOP w0.127: U1.G19 v1(56.1,38.32)
  L3_SIG1 w0.086: v1(74.12,43.12) 74.05,43.19 74.05,43.53 73.78,43.8 69.03,43.8 66.37,41.15 62.17,41.15 60.3,39.28 57.24,39.28 57.04,39.47 56.76,39.47 56.55,39.27 56.55,39.03 56.34,38.82 56.34,38.57 v1(56.1,38.32)
M2_PER0_P: length 23.2
  TOP w0.107: J9.41 73.73,44.31 73.73,43.19 v1(73.66,43.12)
  TOP w0.127: U1.G20 v1(56.9,38.32)
  L3_SIG1 w0.086: v1(73.66,43.12) 73.73,43.19 73.73,43.4 73.65,43.49 69.16,43.49 66.5,40.83 62.3,40.83 60.43,38.96 59.86,38.96 59.77,38.88 59.77,38.72 59.68,38.63 59.51,38.63 59.42,38.72 59.42,38.88 59.34,38.96 59.16,38.96 59.08,38.88 59.08,38.72 58.99,38.63 58.82,38.63 58.73,38.72 58.73,38.88 58.65,38.96 58.47,38.96 58.39,38.88 58.39,38.72 58.3,38.63 58.13,38.63 58.04,38.72 58.04,38.88 57.96,38.96 57.23,38.96 57.04,38.78 56.76,38.78 56.75,38.78 56.66,38.69 56.66,38.57 v1(56.9,38.32)
M2_PERST0N: length 34.5
  TOP w0.127: U1.Y18 v1(55.3,27.12)
  L5_SIG2 w0.102: v1(55.3,27.12) 55.71,27.53 56.28,27.53 56.59,27.22 57.66,27.22 58.09,26.8 58.91,26.8 60.13,25.58 60.86,25.58 v1(61.42,25.02)
  L10_SIG3 w0.102: v1(61.42,25.02) 61.77,24.66 63.21,24.66 64.92,26.37 64.92,28.68 66.29,30.05 66.29,32.51 66.7,32.92 66.7,40.73 65.28,42.15 65.28,43.51 67.34,45.58 v1(67.34,46.45)
M2_PET0_N: length 22.3
  TOP w0.107: C132.2 71.58,47.57 71.58,47.94 71.29,48.23 70.58,48.23 70.1,47.76 70.1,44.07 67.88,41.85 59.46,41.85 58.93,41.32 58.93,39.34 58.71,39.13 57.71,39.13 U1.F21
M2_PET0_P: length 22.2
  TOP w0.107: C133.2 71.26,47.57 71.26,47.81 71.16,47.91 70.71,47.91 70.42,47.63 70.42,46.53 70.53,46.43 70.78,46.43 70.89,46.32 70.89,46.11 70.78,46 70.53,46 70.42,45.89 70.42,45.68 70.53,45.57 70.78,45.57 70.89,45.47 70.89,45.25 70.78,45.15 70.53,45.15 70.42,45.04 70.42,43.94 68.02,41.53 59.59,41.53 59.25,41.19 59.25,39.21 58.85,38.81 58.19,38.81 U1.F22